# Altium PCB Thunderscope-E.PCBDOC (part 1 of 4) (continued)
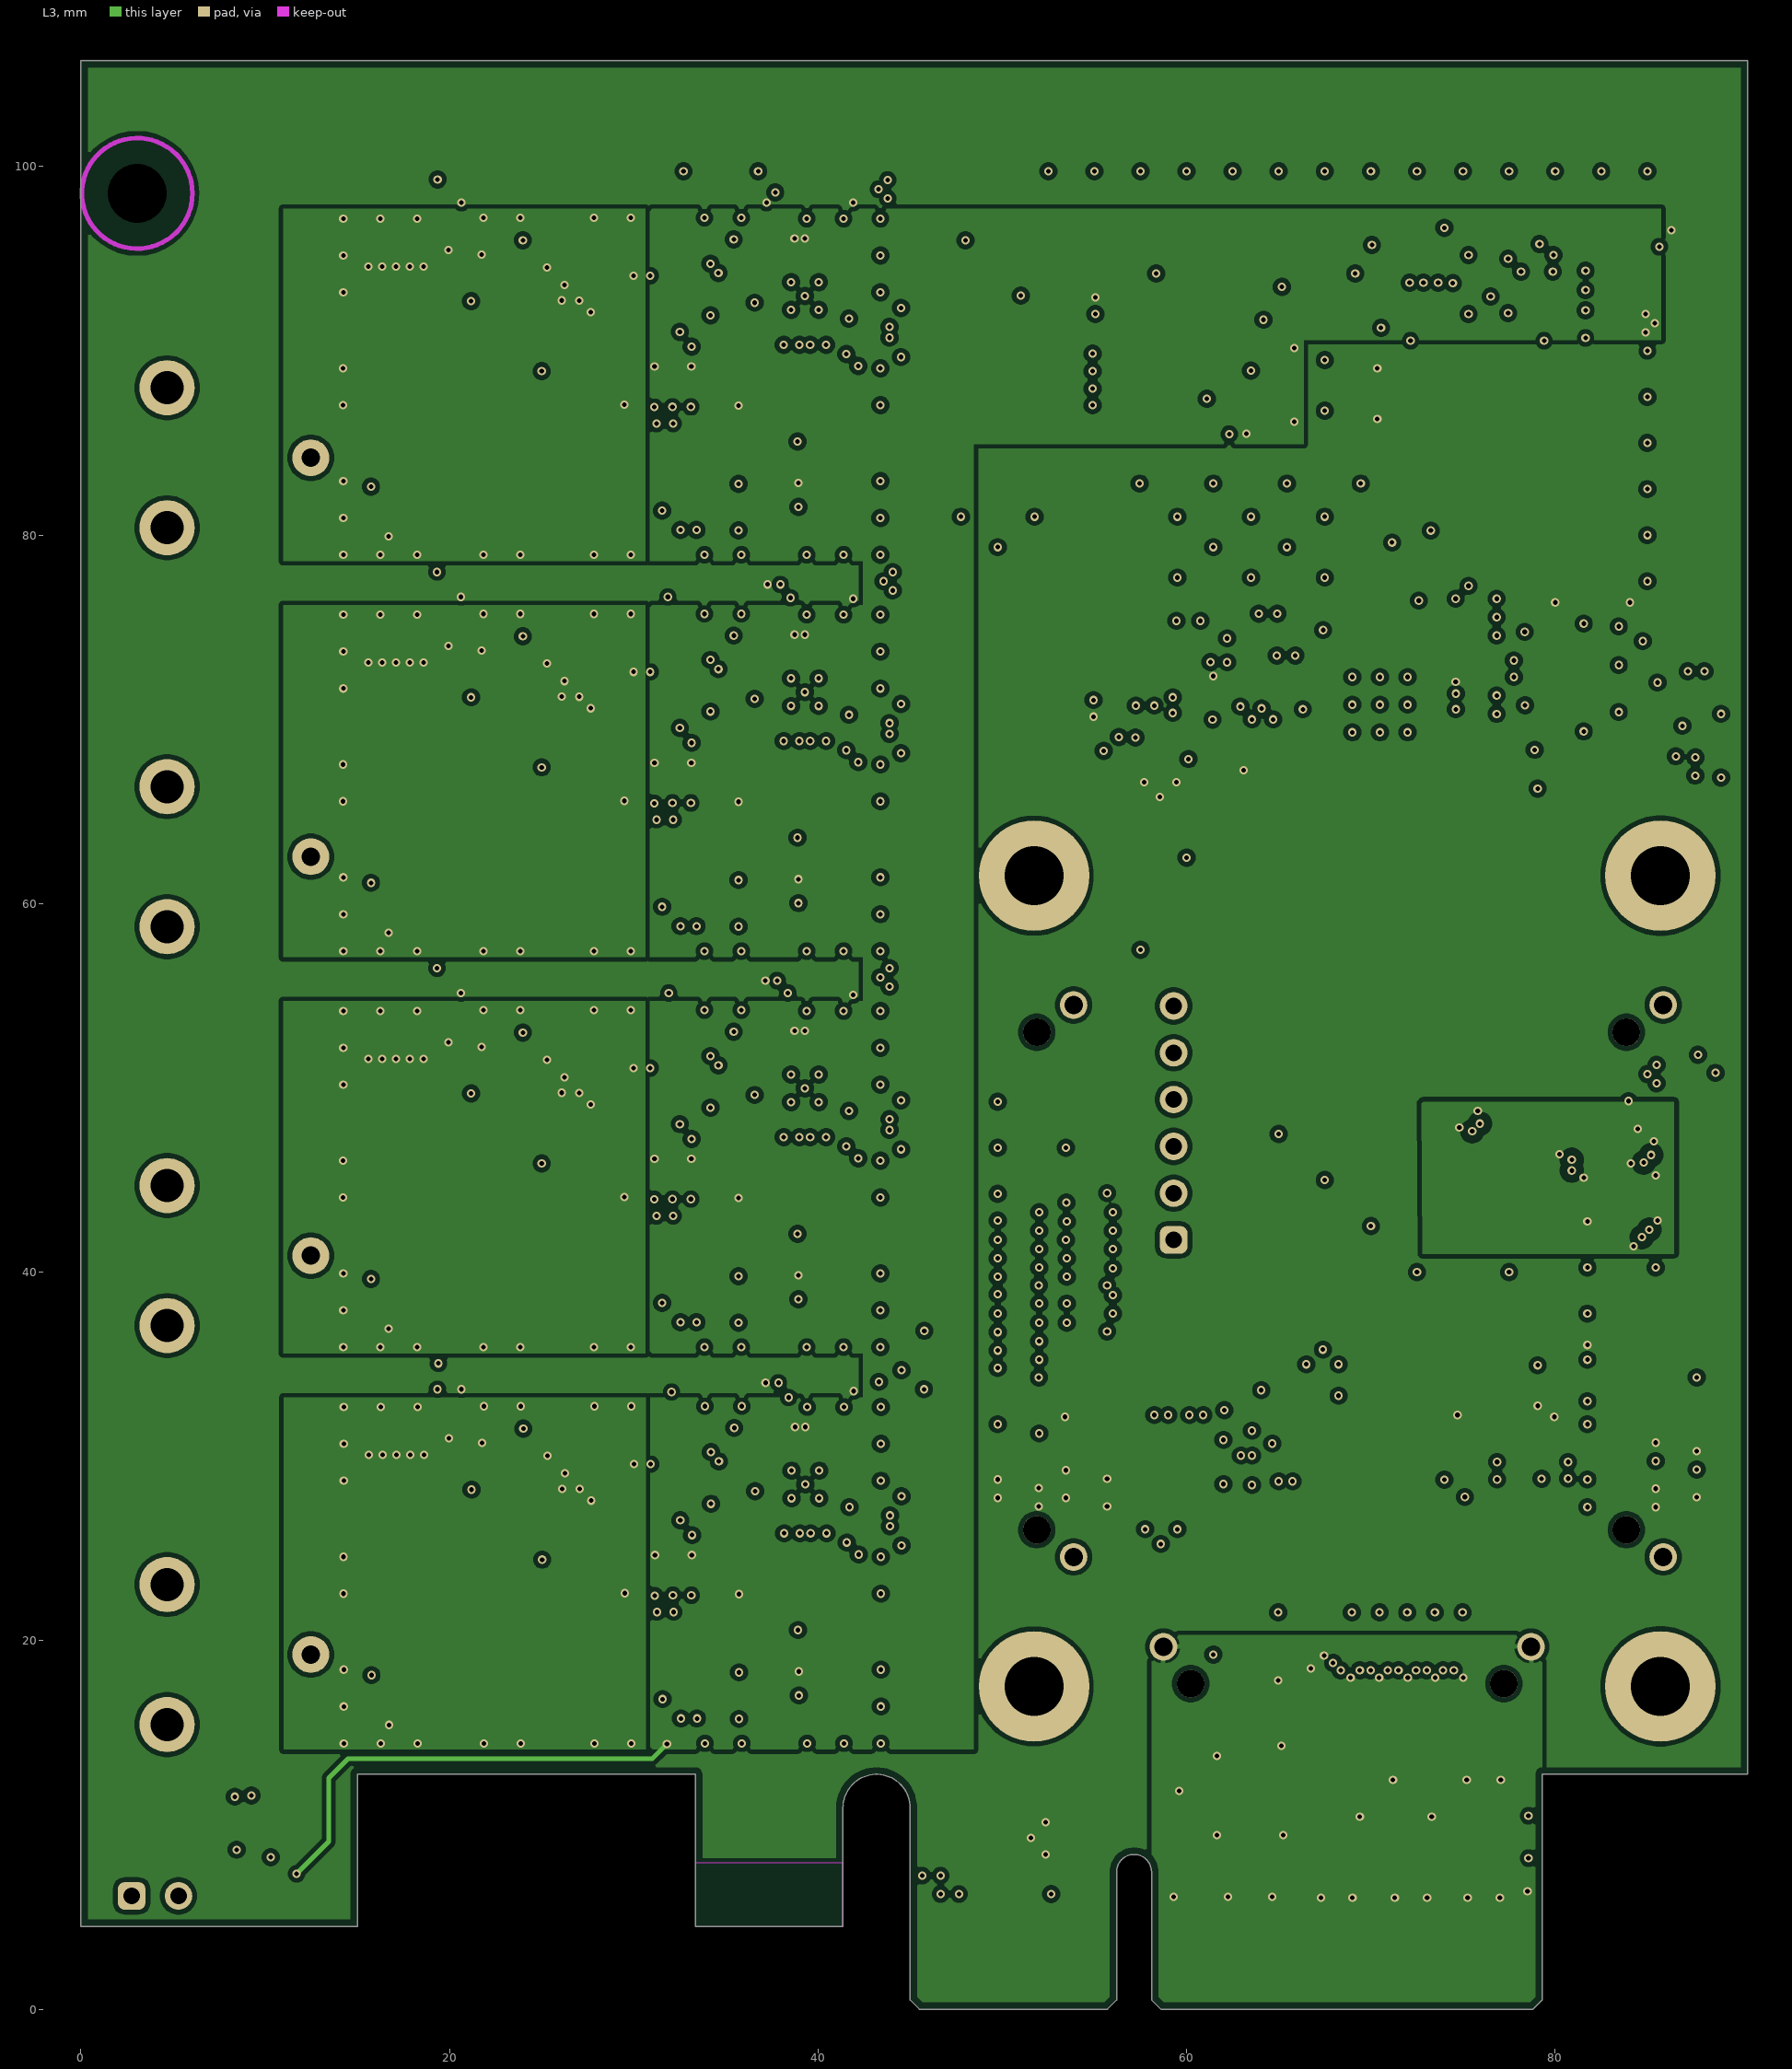
[diagram p3: L3]
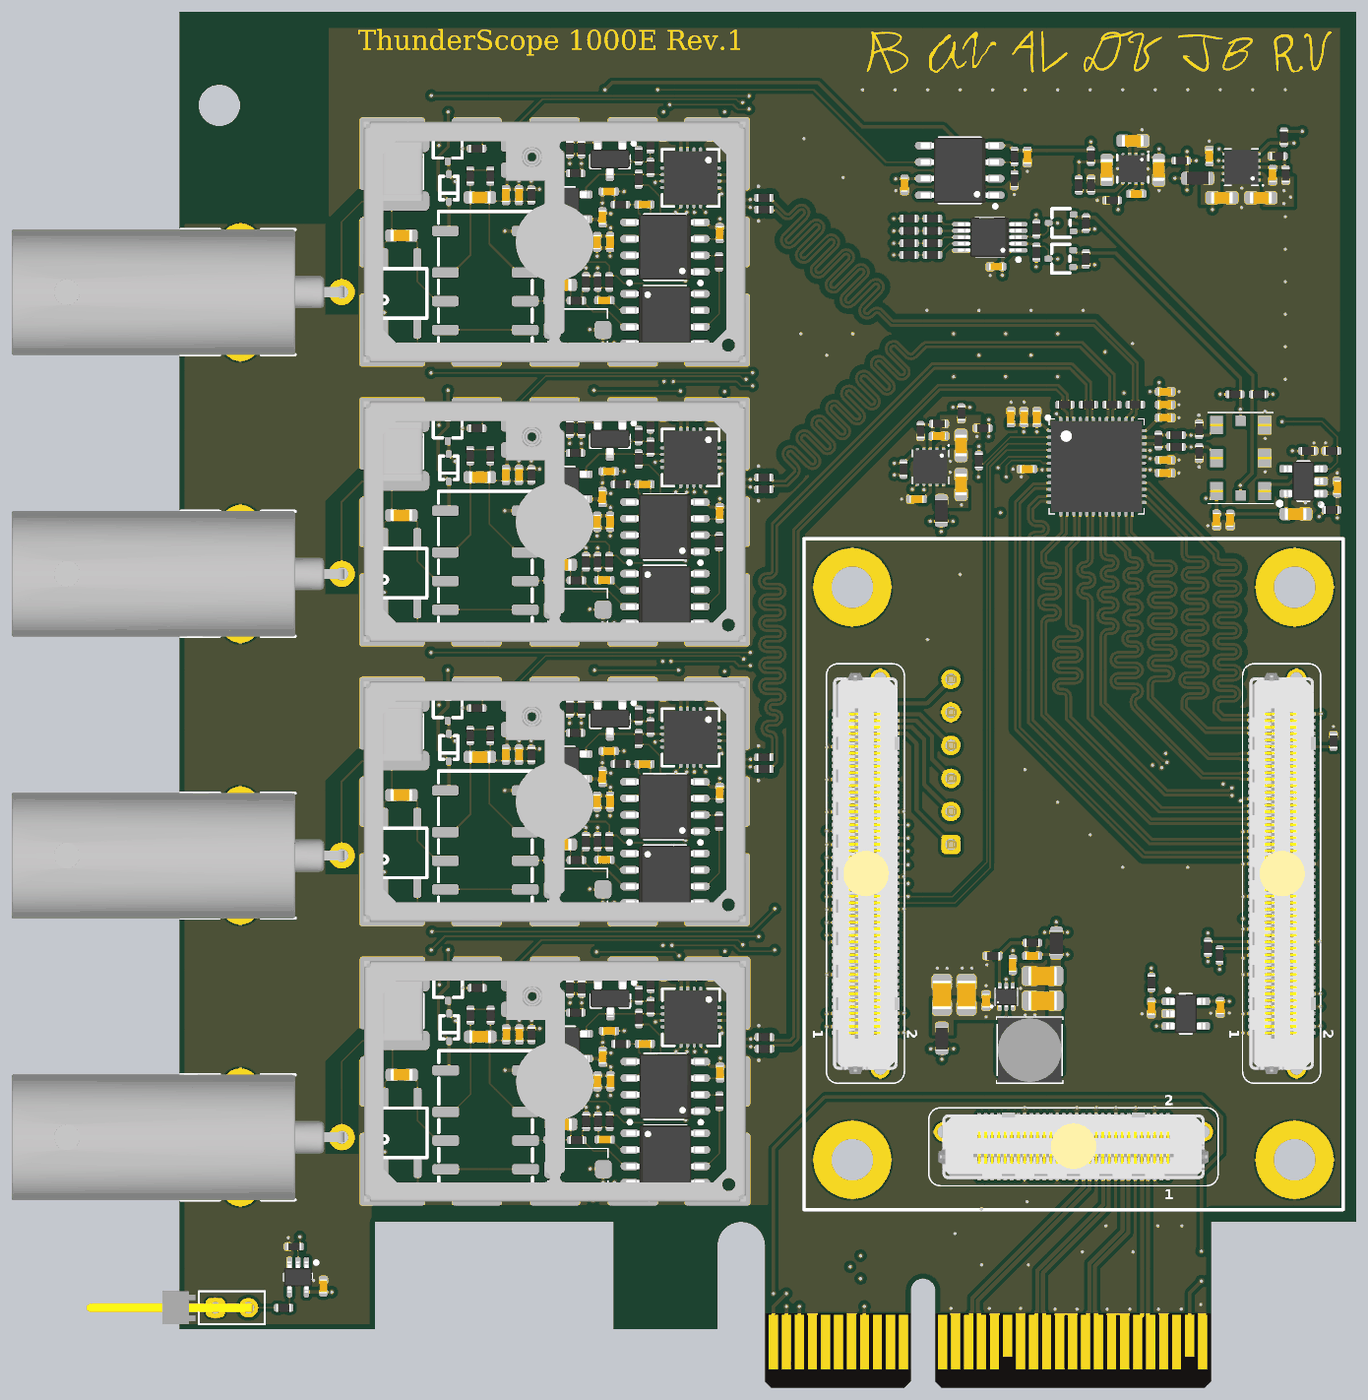
[diagram p7: 3D render of the assembled board from above, using the file's embedded part models]
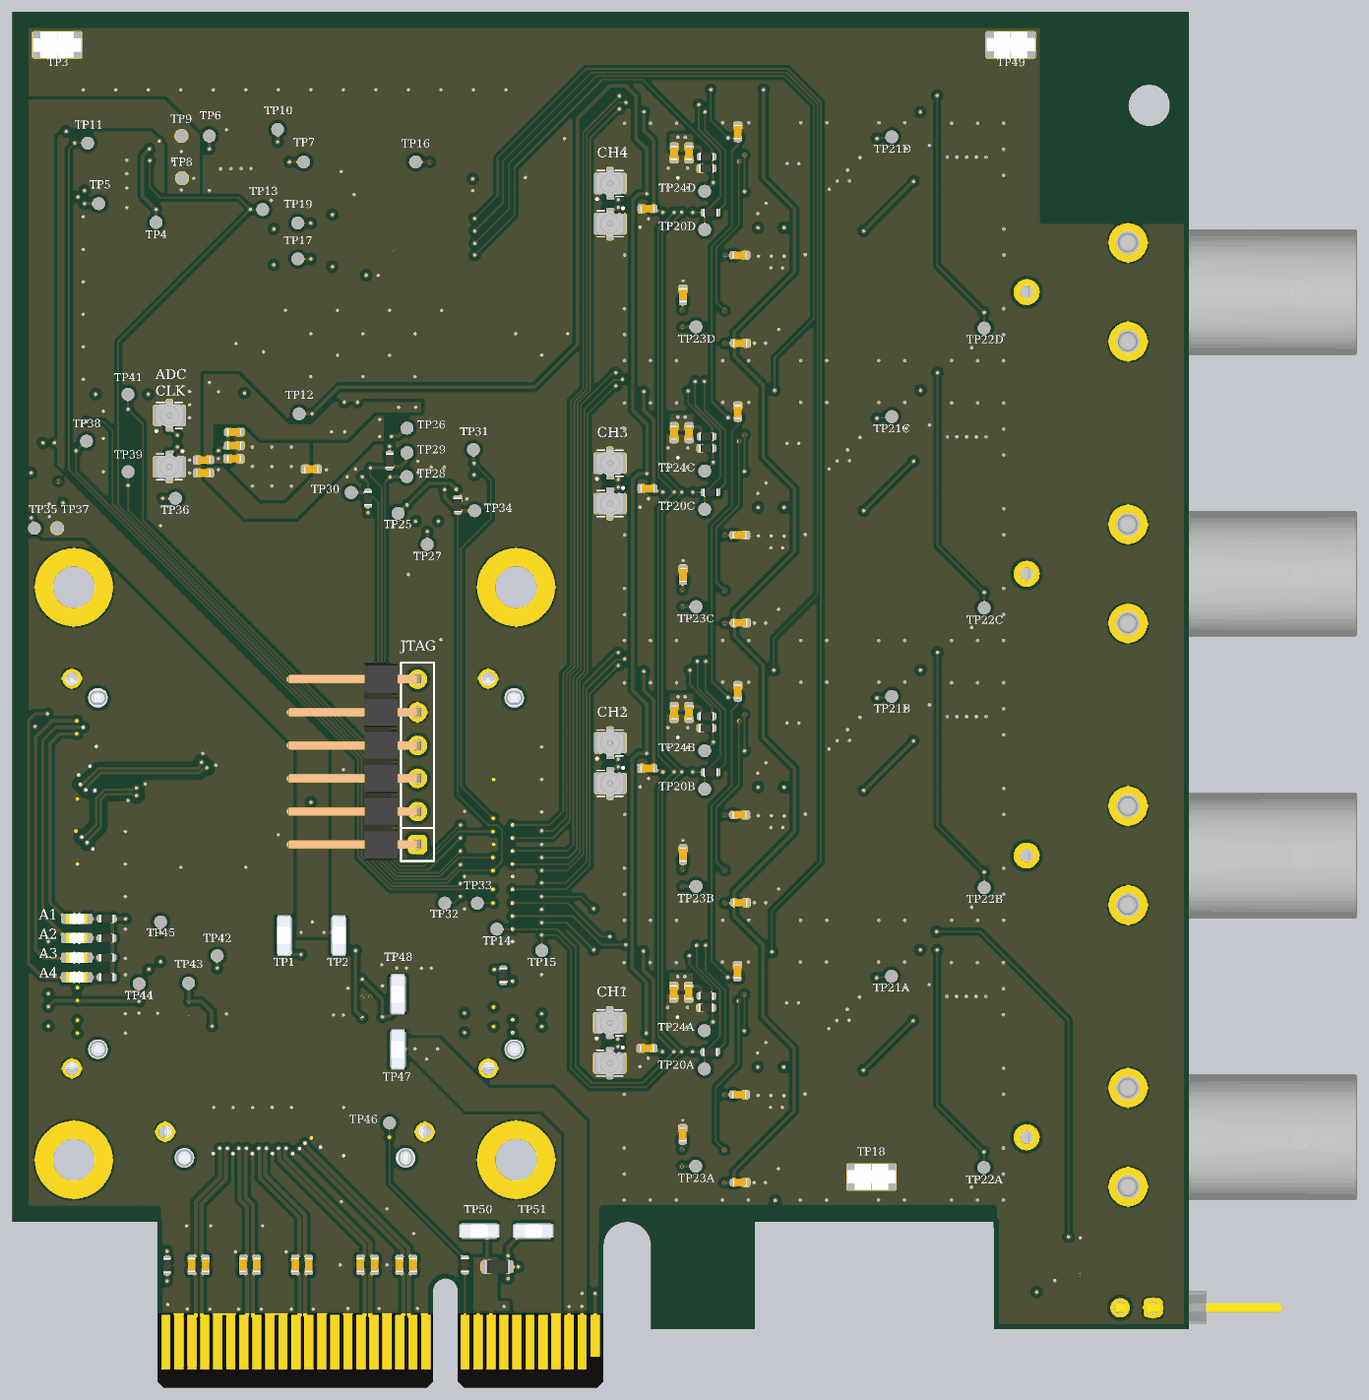
[diagram p8: 3D render of the assembled board from below, using the file's embedded part models]

## Layer stack, top to bottom
Top Solder: solder mask 0.0025, Solder Resist, Dk 1
L1: signal copper 0.0356
Prepeg-1: core 0.1702, FR408, Dk 3.66
L2: signal copper 0.0178
Core: core 1.1938, FR-4, Dk 3.66
L3: signal copper 0.0178
Prepeg-2: core 0.1702, FR408, Dk 3.66
L4: signal copper 0.0356
Bottom Solder: solder mask 0.0025, Solder Resist, Dk 1

## Board outline
0,4.5 15,4.5 15,12.75 33.35,12.75 33.35,4.5 41.35,4.5 41.35,10.925 cw(c43.175,10.925) 45,10.925 45,0.5 45.5,0 55.7,0 56.2,0.5 56.2,7.45 cw(c57.15,7.45) 58.1,7.45 58.1,0.5 58.6,0 78.8,0 79.3,0.5 79.3,12.75 90.45,12.75 90.45,105.75 0,105.75

## Design rules (kind name [scope] priority, off if disabled: settings)
BoardOutlineClearance [All] p1: gap=0.381 ignorepadtopadclearanceinfootprint=FALSE
Clearance Clearance_DIFF_PGA [(InDifferentialPairClass('100Z_Diff_PGA')) vs (InDifferentialPairClass('100Z_Diff_PGA'))] p1: gap=0.254 ignorepadtopadclearanceinfootprint=FALSE except(0.428: Arc-Arc Arc-Track Track-Track)
Clearance Clearance_DIFF_ADC [(InDifferentialPairClass('100Z_Diff')) vs (InDifferentialPairClass('100Z_Diff'))] p2: gap=0.127 ignorepadtopadclearanceinfootprint=FALSE except(0.214: Arc-Arc Arc-Track Track-Track)
Clearance Clearance_DIFF_PGA_GND [(InDifferentialPairClass('100Z_Diff_PGA')) vs InNet('GND')] p3: gap=0.254 ignorepadtopadclearanceinfootprint=FALSE except(0.127: Track-Track Track-SMDPad SMDPad-SMDPad; 0.428: Arc-Poly Track-Poly SMDPad-Poly THPad-Poly Via-Poly Fill-Poly Poly-Poly)
Clearance Clearance_DIFF_ADC_GND [(InDifferentialPairClass('100Z_Diff')) vs InNet('GND')] p4: gap=0.127 ignorepadtopadclearanceinfootprint=FALSE except(0.428: Arc-Poly Track-Poly SMDPad-Poly THPad-Poly Via-Poly Fill-Poly Poly-Poly)
Clearance "Clearance Polygons" [InPolygon] p5: gap=0.254 ignorepadtopadclearanceinfootprint=FALSE except(0: Arc-Hole Track-Hole SMDPad-Hole THPad-Hole Via-Hole Fill-Hole Poly-Hole Region-Hole Text-Hole)
Clearance [All] p6: gap=0.127 ignorepadtopadclearanceinfootprint=FALSE except(0: Arc-Hole Track-Hole SMDPad-Hole THPad-Hole Via-Hole Fill-Hole Poly-Hole Region-Hole Text-Hole)
ComponentClearance ComponentClearance_BNC [HasFootprint('MOL_0731000105')] p1: gap=0 collisioncheckmode=3 verticalgap=0 showdistances=FALSE
ComponentClearance ComponentClearance_Probe_Comp [HasFootprint('GEN_2.54mm_1x2_Pin_TH_RA')] p2: gap=0 collisioncheckmode=3 verticalgap=0 showdistances=FALSE
ComponentClearance ComponentClearance_100pin [HasFootprint('SAM_LSHM-150-XX.X-XX-DV-A-S')] p3: gap=0 collisioncheckmode=3 verticalgap=0 showdistances=FALSE
ComponentClearance ComponentClearance_60pin [HasFootprint('SAM_LSHM-130-XX.X-XX-DV-A-S')] p4: gap=0 collisioncheckmode=3 verticalgap=0 showdistances=FALSE
ComponentClearance [All] p5: gap=0.254 collisioncheckmode=3 verticalgap=0.254 showdistances=FALSE
DiffPairsRouting DiffPairsRouting_100Z [InDifferentialPairClass('100Z_Diff')] p1: maxlimit=0.127 minlimit=0.127 mostfreqgap=0.127 toplayer_minwidth=0.214 toplayer_maxwidth=0.214 toplayer_prefwidth=0.214 midlayer1_minwidth=0.132 midlayer1_maxwidth=0.132 midlayer1_prefwidth=0.132 midlayer2_minwidth=0.132 midlayer2_maxwidth=0.132 midlayer2_prefwidth=0.132 bottomlayer_minwidth=0.214 bottomlayer_maxwidth=0.214 bottomlayer_prefwidth=0.214 impedanceprofiledriven=TRUE impedanceprofileid={D7450237-4FCC-4C5A-8F19-4CC9176C98DB} impedanceprofilevalue=100.000000 maxuncoupledlength=12.7
DiffPairsRouting DiffPairsRouting_100Z_PGA [InDifferentialPairClass('100Z_Diff_PGA')] p2: maxlimit=0.127 minlimit=0.127 mostfreqgap=0.127 toplayer_minwidth=0.214 toplayer_maxwidth=0.214 toplayer_prefwidth=0.214 midlayer1_minwidth=0.132 midlayer1_maxwidth=0.132 midlayer1_prefwidth=0.132 midlayer2_minwidth=0.132 midlayer2_maxwidth=0.132 midlayer2_prefwidth=0.132 bottomlayer_minwidth=0.214 bottomlayer_maxwidth=0.214 bottomlayer_prefwidth=0.214 impedanceprofiledriven=TRUE impedanceprofileid={D7450237-4FCC-4C5A-8F19-4CC9176C98DB} impedanceprofilevalue=100.000000 maxuncoupledlength=12.7
DiffPairsRouting DiffPairsRouting_PCIe [InDifferentialPairClass('PCIe')] p3: maxlimit=0.127 minlimit=0.127 mostfreqgap=0.127 toplayer_minwidth=0.309 toplayer_maxwidth=0.309 toplayer_prefwidth=0.309 midlayer1_minwidth=0.208 midlayer1_maxwidth=0.208 midlayer1_prefwidth=0.208 midlayer2_minwidth=0.208 midlayer2_maxwidth=0.208 midlayer2_prefwidth=0.208 bottomlayer_minwidth=0.309 bottomlayer_maxwidth=0.309 bottomlayer_prefwidth=0.309 impedanceprofiledriven=TRUE impedanceprofileid={783AF68C-1572-4F34-9A7C-60B43AFA2488} impedanceprofilevalue=85.000000 maxuncoupledlength=12.7
Height "PCI Express, Page 84, \"Component Height Constraints\" for solder side" [OnBottomLayer] p1: minheight=0 maxheight=2.67 prefheight=2.67
Height "PCI Express, Page 84, \"Component Height Constraints\" for component side" [OnTopLayer] p2: minheight=0 maxheight=14.47 prefheight=14.47
HoleSize [All] p1: absolutevalues=TRUE maxlimit=6.731 minlimit=0.254 maxpercent=80.000 minpercent=20.000
HoleToHoleClearance [All] p1: gap=0.254 allowstackedmicrovias=FALSE
MatchedLengths MatchedLengths_ADC [InDifferentialPairClass('100Z_Diff')] p1: tolerance=3 checknetsindiffpair=FALSE checkdiffpairvsdiffpair=TRUE checkxsignals=TRUE checkothers=TRUE
MinimumAnnularRing [All] p1: minimumring=0.102
MinimumSolderMaskSliver [All] p1: minsoldermaskwidth=0
PlaneClearance [All] p1: clearance=0.254
PlaneConnect [All] p1: planeconnectstyle=Relief reliefexpansion=0.102 reliefentries=4 reliefconductorwidth=0.152 reliefairgap=0.152
PolygonConnect [All] p1: thpad.connectstyle=Relief thpad.reliefconductorwidth=0.254 thpad.reliefentries=4 thpad.polygonreliefangle="90 Angle" thpad.airgapwidth=0.152 smdpad.connectstyle=Direct smdpad.reliefconductorwidth=0.254 smdpad.reliefentries=4 smdpad.polygonreliefangle="90 Angle" smdpad.airgapwidth=0.152 via.connectstyle=Direct via.reliefconductorwidth=0.254 via.reliefentries=4 via.polygonreliefangle="90 Angle" via.airgapwidth=0.152
RoutingCorners [All] p1: cornerstyle=45-Degree minsetback=1.25 maxsetback=1.25
RoutingVias [All] p1: holewidth=0.305 width=0.559 viastyle="Through Hole" minholewidth=0.254 minwidth=0.457 maxholewidth=2.54 maxwidth=2.896 useviatemplates=TRUE viatemplateguid#1={3C46A68A-ED0C-4B89-B59D-FDC839B5065A} viatemplatename#1=v46h25m0mx0
SilkToSilkClearance [All] p1: silktosilkclearance=0
SilkToSolderMaskClearance [IsPad] p1: minsilkscreentomaskgap=0.127 clearancetoexposedcopper=TRUE
SolderMaskExpansion [All] p1: expansion=0.038 istentingtop=FALSE
Width GND [InNet('GND')] p1: maxlimit=0.762 minlimit=0.254 preferedwidth=0.508
Width Power [InNetClass('Power')] p2: maxlimit=1.016 minlimit=0.508 preferedwidth=0.762
Width 3V3 [InNetClass('3V3')] p3: maxlimit=0.762 minlimit=0.254 preferedwidth=0.508
Width [All] p4: maxlimit=10.16 minlimit=0.127 preferedwidth=0.254 minimp=50.000000 maximp=50.000000 favimp=50.000000
19 further rules are at their usual default settings.

## Classes and differential pairs
net class LEDs_[4..1]: LEDs_1 LEDs_2 LEDs_3 LEDs_4
component class LEDs: D3 D4 D5 D6 R10 R88 R89 R90
differential pair class 100Z_Diff_PGA: CH1 CH2 CH3 CH4 OUTA OUTB OUTC OUTD
differential pair class PCIe: MGT_CLK1 MGT_TX0 MGT_TX1 MGT_TX2 MGT_TX3 PER0 PER1 PER2 PER3 PET0 PET1 PET2 PET3 REFCLK
differential pair class 100Z_Diff: D1A D1B D2A D2B D3A D3B D4A D4B FCLK LCLK
component class PGA4: C35D C36D C37D C38D C39D R53D R54D R55D TP24D U9D
component class PGA3: C35C C36C C37C C38C C39C R53C R54C R55C TP24C U9C
component class PGA2: C35B C36B C37B C38B C39B R53B R54B R55B TP24B U9B
component class PGA1: C35A C36A C37A C38A C39A R53A R54A R55A TP24A U9A
component class "Input Coupling and Attenuation4": C30D C31D C32D C33D C34D D2D GDT1D K1D Q5D R45D R47D R49D R50D R51D R52D U8D
component class "Input Coupling and Attenuation3": C30C C31C C32C C33C C34C D2C GDT1C K1C Q5C R45C R47C R49C R50C R51C R52C U8C
component class "Input Coupling and Attenuation2": C30B C31B C32B C33B C34B D2B GDT1B K1B Q5B R45B R47B R49B R50B R51B R52B U8B
component class "Input Coupling and Attenuation1": C30A C31A C32A C33A C34A D2A GDT1A K1A Q5A R45A R47A R49A R50A R51A R52A U8A
component class Buffer4: C17D C18D C19D C20D C21D C22D C23D C24D C25D C26D C27D C28D C29D D1D Q3D Q4D R30D R31D R32D R33D R34D R35D R36D R37D R38D R39D R40D R41D R42D R43D R44D R48D TP23D U6D U7D
component class Buffer3: C17C C18C C19C C20C C21C C22C C23C C24C C25C C26C C27C C28C C29C D1C Q3C Q4C R30C R31C R32C R33C R34C R35C R36C R37C R38C R39C R40C R41C R42C R43C R44C R48C TP23C U6C U7C
component class Buffer2: C17B C18B C19B C20B C21B C22B C23B C24B C25B C26B C27B C28B C29B D1B Q3B Q4B R30B R31B R32B R33B R34B R35B R36B R37B R38B R39B R40B R41B R42B R43B R44B R48B TP23B U6B U7B
component class Buffer1: C17A C18A C19A C20A C21A C22A C23A C24A C25A C26A C27A C28A C29A D1A Q3A Q4A R30A R31A R32A R33A R34A R35A R36A R37A R38A R39A R40A R41A R42A R43A R44A R48A TP23A U6A U7A
channel class PGA: PGA1 PGA2 PGA3 PGA4
channel class Input: "Input Coupling and Attenuation1" "Input Coupling and Attenuation2" "Input Coupling and Attenuation3" "Input Coupling and Attenuation4"
channel class FE_Channel: CH1 CH2 CH3 CH4
channel class Buffer: Buffer1 Buffer2 Buffer3 Buffer4
net class PGA_CSn_[4..1]: PGA_CSn_1 PGA_CSn_2 PGA_CSn_3 PGA_CSn_4
net class DC_CPL_[4..1]: DC_CPL_1 DC_CPL_2 DC_CPL_3 DC_CPL_4
net class ATTEN_[4..1]: ATTEN_1 ATTEN_2 ATTEN_3 ATTEN_4
component class PCIe_X4: P1 R85 R86 R87 TP47 TP48 TP50 TP51
component class Main: C1 C2 C3 C4 C5 C6 C7 C77 J7 L1 R1 R2 R3 R46 R84 TP1 TP2 TP3 TP18 TP49 U1 U15
component class "Front End": C8 C9 C10 C11 C12 C13 C14 C15 C16 C75 C76 Q1 Q2 R4 R5 R6 R7 R8 R9 R11 R12 R13 R14 R15 R16 R17 R18 R19 R20 R21 R22 R23 R24 R25 R26 R27 TP4 TP5 TP6 TP7 TP8 TP9 TP10 TP11 TP12 TP13 TP14 TP15 TP16 TP17 TP19 U2 U3 U4 U5
component class "FPGA Module": C63 C64 C65 C66 C67 C68 C69 C70 C71 C72 C73 C74 J6 JM1 JM2 JM3 MH1 MH2 MH3 MH4 R78 R79 R80 R81 R82 R83 TP42 TP43 TP44 TP45 TP46 U14
component class CH4: J1D J2D J3D R28D R29D SHLD1D TP20D TP21D TP22D
component class CH3: J1C J2C J3C R28C R29C SHLD1C TP20C TP21C TP22C
component class CH2: J1B J2B J3B R28B R29B SHLD1B TP20B TP21B TP22B
component class CH1: J1A J2A J3A R28A R29A SHLD1A TP20A TP21A TP22A
component class ADC: C40 C41 C42 C43 C44 C45 C46 C47 C48 C49 C50 C51 C52 C53 C54 C55 C56 C57 C58 C59 C60 C61 C62 FB1 FB2 J4 J5 R56 R57 R58 R59 R60 R61 R62 R63 R64 R65 R66 R67 R68 R69 R70 R71 R72 R73 R74 R75 R76 R77 TP25 TP26 TP27 TP28 TP29 TP30 TP31 TP32 TP33 TP34 TP35 TP36 TP37 TP38 TP39 TP41 U10 U11 U12 U13
component class "Edge Connector": P1
differential pair MGT_TX3: +MGT_TX3_P -MGT_TX3_N
differential pair MGT_TX2: +MGT_TX2_P -MGT_TX2_N
differential pair MGT_TX1: +MGT_TX1_P -MGT_TX1_N
differential pair MGT_TX0: +MGT_TX0_P -MGT_TX0_N
differential pair MGT_CLK1: +MGT_CLK1_P -MGT_CLK1_N
differential pair LCLK: +LCLK_P -LCLK_N
differential pair FCLK: +FCLK_P -FCLK_N
differential pair D4B: +D4B_P -D4B_N
differential pair D4A: +D4A_P -D4A_N
differential pair D3B: +D3B_P -D3B_N
differential pair D3A: +D3A_P -D3A_N
differential pair D2B: +D2B_P -D2B_N
differential pair D2A: +D2A_P -D2A_N
differential pair D1B: +D1B_P -D1B_N
differential pair D1A: +D1A_P -D1A_N
differential pair OUTD: +OUTD_P -OUTD_N
differential pair OUTC: +OUTC_P -OUTC_N
differential pair OUTB: +OUTB_P -OUTB_N
differential pair OUTA: +OUTA_P -OUTA_N
differential pair CH4: +CH4_P -CH4_N
differential pair CH3: +CH3_P -CH3_N
differential pair CH2: +CH2_P -CH2_N
differential pair CH1: +CH1_P -CH1_N
differential pair REFCLK: +REFCLK_P -REFCLK_N
differential pair PET3: +PET3_P -PET3_N
differential pair PET2: +PET2_P -PET2_N
differential pair PET1: +PET1_P -PET1_N
differential pair PET0: +PET0_P -PET0_N
differential pair PER3: +PER3_P -PER3_N
differential pair PER2: +PER2_P -PER2_N
differential pair PER1: +PER1_P -PER1_N
differential pair PER0: +PER0_P -PER0_N
differential pair ADC_CLK: +ADC_CLK_P -ADC_CLK_N

## Components (designator, comment, footprint, x,y, rotation, side; value= is the part's Value field where it differs from the comment)
C1 "100nF" GEN_C_0402 64.05,32.5 r270 top
C2 "10pF" GEN_C_0402 65.55,33.2 r0 top
C3 "22uF" GEN_C_0805 58.6,30.2 r270 top
C4 "22uF" GEN_C_0805 60.5,30.2 r270 top
C5 "100nF" GEN_C_0402 62,29.75 r90 top
C6 "22uF" GEN_C_0805 66.35,29.75 r0 top
C7 "22uF" GEN_C_0805 66.35,31.65 r0 top
C8 "10nF" GEN_C_0402 84.025,93.205 r270 top
C9 "10uF" GEN_C_0603 71.276,93.584 r90 top
C10 "10uF" GEN_C_0603 80.125,91.455 r180 top
C11 "10uF" GEN_C_0603 83.125,91.455 r0 top
C12 "10uF" GEN_C_0603 75.276,93.584 r90 top
C13 "1uF" GEN_C_0402 73.55,91.75 r0 top
C14 "100nF" GEN_C_0402 79.15,94.65 r270 top
C15 "10uF" GEN_C_0603 73.276,95.834 r180 top
C16 "100nF" GEN_C_0402 62.775,86.155 r0 top
C17A "22nF" GEN_C_0603 29.325,20.25 r0 top (schematic designator C17)
C17B "22nF" GEN_C_0603 29.3,41.751 r0 top (schematic designator C17)
C17C "22nF" GEN_C_0603 29.3,63.25 r0 top (schematic designator C17)
C17D "22nF" GEN_C_0603 29.3,84.75 r0 top (schematic designator C17)
C18A "1uF" GEN_C_0402 41.55,24.225 r270 top (schematic designator C18)
C18B "1uF" GEN_C_0402 41.525,45.726 r270 top (schematic designator C18)
C18C "1uF" GEN_C_0402 41.525,67.225 r270 top (schematic designator C18)
C18D "1uF" GEN_C_0402 41.525,88.725 r270 top (schematic designator C18)
C19A "1uF" GEN_C_0402 33.013,27.43 r0 top (schematic designator C19)
C19B "1uF" GEN_C_0402 32.988,48.931 r0 top (schematic designator C19)
C19C "1uF" GEN_C_0402 32.988,70.43 r0 top (schematic designator C19)
C19D "1uF" GEN_C_0402 32.988,91.93 r0 top (schematic designator C19)
C20A "1uF" GEN_C_0402 32.675,19.075 r0 top (schematic designator C20)
C20B "1uF" GEN_C_0402 32.65,40.576 r0 top (schematic designator C20)
C20C "1uF" GEN_C_0402 32.65,62.075 r0 top (schematic designator C20)
C20D "1uF" GEN_C_0402 32.65,83.575 r0 top (schematic designator C20)
C21A "1uF" GEN_C_0402 35.763,26.43 r180 top (schematic designator C21)
C21B "1uF" GEN_C_0402 35.738,47.931 r180 top (schematic designator C21)
C21C "1uF" GEN_C_0402 35.738,69.43 r180 top (schematic designator C21)
C21D "1uF" GEN_C_0402 35.738,90.93 r180 top (schematic designator C21)
C22A "100nF" GEN_C_0402 34.7,32 r90 bottom (schematic designator C22)
C22B "100nF" GEN_C_0402 34.675,53.501 r90 bottom (schematic designator C22)
C22C "100nF" GEN_C_0402 34.675,75 r90 bottom (schematic designator C22)
C22D "100nF" GEN_C_0402 34.675,96.5 r90 bottom (schematic designator C22)
C23A "100nF" GEN_C_0402 34.563,22.53 r180 bottom (schematic designator C23)
C23B "100nF" GEN_C_0402 34.538,44.031 r180 bottom (schematic designator C23)
C23C "100nF" GEN_C_0402 34.538,65.53 r180 bottom (schematic designator C23)
C23D "100nF" GEN_C_0402 34.538,87.03 r180 bottom (schematic designator C23)
C24A "100nF" GEN_C_0402 38.913,19.47 r90 bottom (schematic designator C24)
C24B "100nF" GEN_C_0402 38.888,40.971 r90 bottom (schematic designator C24)
C24C "100nF" GEN_C_0402 38.888,62.47 r90 bottom (schematic designator C24)
C24D "100nF" GEN_C_0402 38.888,83.97 r90 bottom (schematic designator C24)
C25A "100nF" GEN_C_0402 31.125,23.55 r270 top (schematic designator C25)
C25B "100nF" GEN_C_0402 31.1,45.051 r270 top (schematic designator C25)
C25C "100nF" GEN_C_0402 31.1,66.55 r270 top (schematic designator C25)
C25D "100nF" GEN_C_0402 31.1,88.05 r270 top (schematic designator C25)
C26A "100nF" GEN_C_0402 32.525,25.45 r90 top (schematic designator C26)
C26B "100nF" GEN_C_0402 32.5,46.951 r90 top (schematic designator C26)
C26C "100nF" GEN_C_0402 32.5,68.45 r90 top (schematic designator C26)
C26D "100nF" GEN_C_0402 32.5,89.95 r90 top (schematic designator C26)
C27A "10nF" GEN_C_0402 33.125,23.55 r90 top (schematic designator C27)
C27B "10nF" GEN_C_0402 33.1,45.051 r90 top (schematic designator C27)
C27C "10nF" GEN_C_0402 33.1,66.55 r90 top (schematic designator C27)
C27D "10nF" GEN_C_0402 33.1,88.05 r90 top (schematic designator C27)
C28A "1nF" GEN_C_0402 32.125,23.55 r90 top (schematic designator C28)
C28B "1nF" GEN_C_0402 32.1,45.051 r90 top (schematic designator C28)
C28C "1nF" GEN_C_0402 32.1,66.55 r90 top (schematic designator C28)
C28D "1nF" GEN_C_0402 32.1,88.05 r90 top (schematic designator C28)
C29A "100nF" GEN_C_0402 34.513,15.78 r180 bottom (schematic designator C29)
C29B "100nF" GEN_C_0402 34.488,37.281 r180 bottom (schematic designator C29)
C29C "100nF" GEN_C_0402 34.488,58.78 r180 bottom (schematic designator C29)
C29D "100nF" GEN_C_0402 34.488,80.28 r180 bottom (schematic designator C29)
C30A "22nF" GEN_C_0603 17.075,24.05 r180 top (schematic designator C30)
C30B "22nF" GEN_C_0603 17.05,45.551 r180 top (schematic designator C30)
C30C "22nF" GEN_C_0603 17.05,67.05 r180 top (schematic designator C30)